# Altium PCB un52eGX16.PcbDoc (part 1 of 2) (continued)
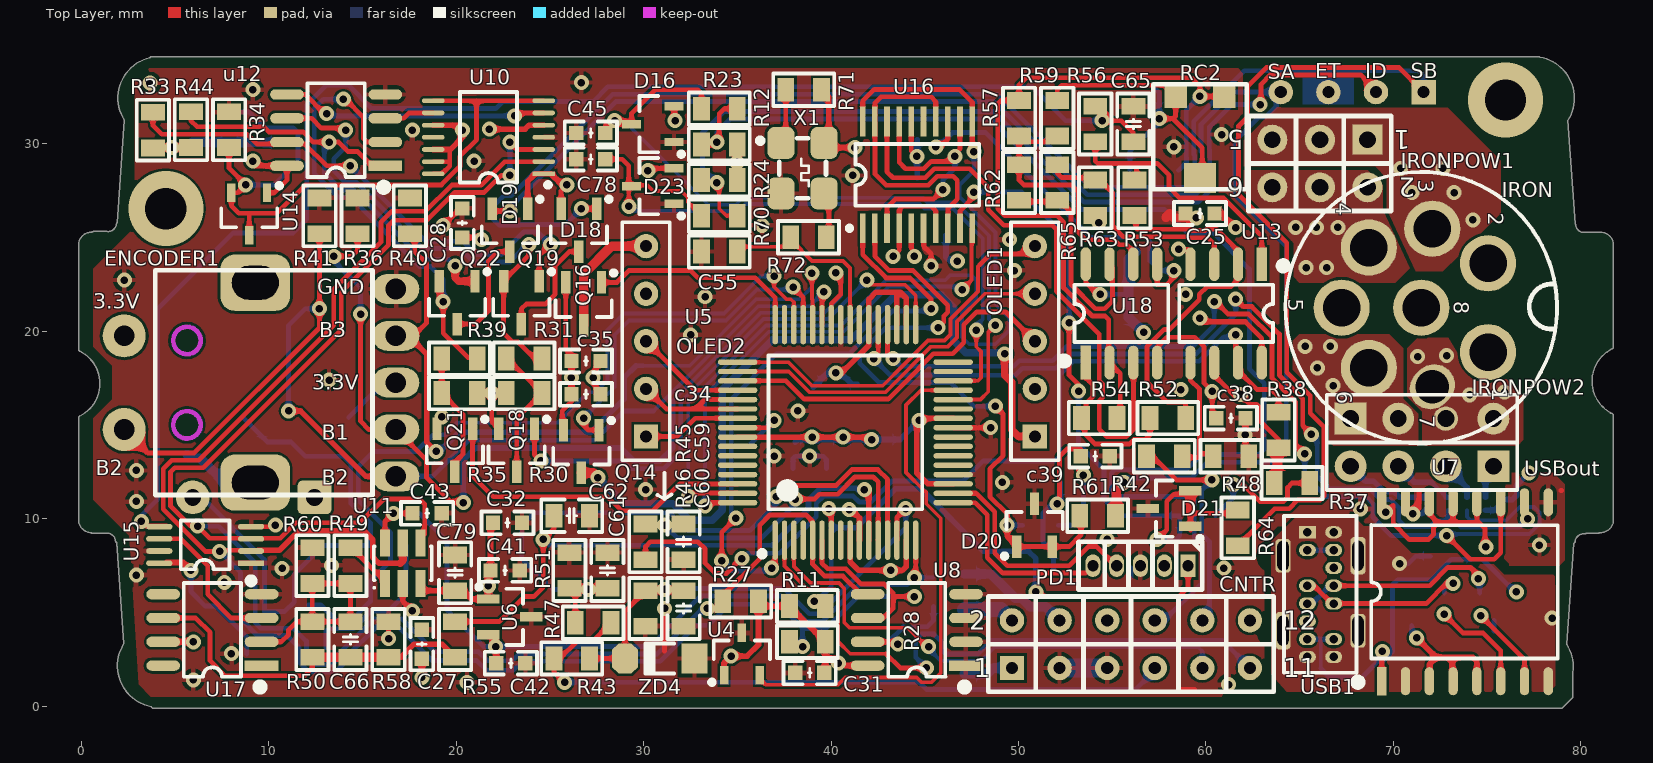
[diagram p0: Top Layer view]
## Footprints (in the part's own frame and the unit in brackets; to place one, negate y for a bottom-side part, rotate by r counter-clockwise, add the part's x,y. Pads: shape width x height; smd on the part's side, far side on the other; paste and mask are expansions set on the pad) (continued)
  rect 1.8x0.55 smd: 1(-2.625,1.905)
  oval 1.8x0.55 smd: 2(-2.625,0.635) 3(-2.625,-0.635) 4(-2.625,-1.905) 5(2.625,-1.905) 6(2.625,-0.635) 7(2.625,0.635) 8(2.625,1.905)
  silkscreen extent -2.69,-2.5 1.52,3.2, body extent -3,-2.5 3,2.5, height 1.9
SOP16W_L [mm] "10.3*10.3*2.6mm（长宽高）"
  rect 1.5x0.5 smd: 1(-4.775,4.445)
  oval 1.5x0.5 smd: 2(-4.775,3.175) 3(-4.775,1.905) 4(-4.775,0.635) 5(-4.775,-0.635) 6(-4.775,-1.905) 7(-4.775,-3.175) 8(-4.775,-4.445) 9(4.775,-4.445) 10(4.775,-3.175) 11(4.775,-1.905) 12(4.775,-0.635) 13(4.775,0.635) 14(4.775,1.905) 15(4.775,3.175) 16(4.775,4.445)
  silkscreen extent -4.98,-4.95 3.56,5.87, body extent -5.15,-5.15 5.15,5.15, height 2.7
SOT23-3L [mm] "3x1.3x1mm(长宽高)"
  rect 0.45x1 smd: 1(-0.95,-1.143) 2(0.95,-1.143) 3(0,1.125)
  silkscreen extent -1.72,-1.65 1.5,0.7, body extent -1.5,-1.2 1.5,1.2, height 1.05
SOT23-3N [mm] "3x1.3x1mm(长宽高)"
  rect 0.5x1.2 smd: 1(-0.95,-1.143) 2(0.95,-1.143) 3(0,1.143)
  silkscreen extent -1.73,-1.78 1.5,0.7, body extent -1.5,-1.2 1.5,1.2, height 1.05
SOT23-6 [mm] "SOT-457/SC-74; 6 Leads; Body 3 x 3 mm, inc. leads (LxW max)"
  rect 0.55x1.45 smd: 1(-0.95,-1.075) 2(0,-1.075) 3(0.95,-1.075) 4(0.95,1.075) 5(0,1.075) 6(-0.95,1.075)
  silkscreen extent -1.57,-1.35 1.55,0.9
"TQFP64 10X10_M" [mm] "64脚，体宽：10x10mm, 脚距：0.5mm"
  oval 0.29x2.1 smd: 1(-3.75,-5.752) 2(-3.25,-5.752) 3(-2.75,-5.752) 4(-2.25,-5.752) 5(-1.75,-5.752) 6(-1.25,-5.752) 7(-0.75,-5.752) 8(-0.25,-5.752) 9(0.25,-5.752) 10(0.75,-5.752) 11(1.25,-5.752) 12(1.75,-5.752) 13(2.25,-5.752) 14(2.75,-5.752) 15(3.25,-5.752) 16(3.75,-5.752) 33(3.75,5.752) 34(3.25,5.752) 35(2.75,5.752) 36(2.25,5.752) 37(1.75,5.752) 38(1.25,5.752) 39(0.75,5.752) 40(0.25,5.752) 41(-0.25,5.752) 42(-0.75,5.752) 43(-1.25,5.752) 44(-1.75,5.752) 45(-2.25,5.752) 46(-2.75,5.752) 47(-3.25,5.752) 48(-3.75,5.752)
  oval 2.1x0.29 smd: 17(5.752,-3.75) 18(5.752,-3.25) 19(5.752,-2.75) 20(5.752,-2.25) 21(5.752,-1.75) 22(5.752,-1.25) 23(5.752,-0.75) 24(5.752,-0.25) 25(5.752,0.25) 26(5.752,0.75) 27(5.752,1.25) 28(5.752,1.75) 29(5.752,2.25) 30(5.752,2.75) 31(5.752,3.25) 32(5.752,3.75) 49(-5.752,3.75) 50(-5.752,3.25) 51(-5.752,2.75) 52(-5.752,2.25) 53(-5.752,1.75) 54(-5.752,1.25) 55(-5.752,0.75) 56(-5.752,0.25) 57(-5.752,-0.25) 58(-5.752,-0.75) 59(-5.752,-1.25) 60(-5.752,-1.75) 61(-5.752,-2.25) 62(-5.752,-2.75) 63(-5.752,-3.25) 64(-5.752,-3.75)
  silkscreen extent -4.57,-6.6 4.1,4.1, body extent -6,-6 6.01,6, height 1.05
TSSOP14_L [mm] "5*6.4*1mm（长宽高）"
  rect 1.2x0.25 smd: 1(-2.95,1.95)
  oval 1.2x0.25 smd: 2(-2.95,1.3) 3(-2.95,0.65) 4(-2.95,0) 5(-2.95,-0.65) 6(-2.95,-1.3) 7(-2.95,-1.95) 8(2.95,-1.95) 9(2.95,-1.3) 10(2.95,-0.65) 11(2.95,0) 12(2.95,0.65) 13(2.95,1.3) 14(2.95,1.95)
  silkscreen extent -3.3,-2.41 1.52,2.67, body extent -3.2,-2.5 3.2,2.5, height 1.03
TSSOP20 [mm] "Shrink Small Outline; 20 Leads; Body Width 4.4 mm; Pitch 0.65 mm"
  rect 0.3x1.6 smd: 1(-2.925,-2.85) 2(-2.275,-2.85) 3(-1.625,-2.85) 4(-0.975,-2.85) 5(-0.325,-2.85) 6(0.325,-2.85) 7(0.975,-2.85) 8(1.625,-2.85) 9(2.275,-2.85) 10(2.925,-2.85) 11(2.925,2.85) 12(2.275,2.85) 13(1.625,2.85) 14(0.975,2.85) 15(0.325,2.85) 16(-0.325,2.85) 17(-0.975,2.85) 18(-1.625,2.85) 19(-2.275,2.85) 20(-2.925,2.85)
  silkscreen extent -3.75,-2.97 3.3,1.65
USB-TYPEC-14P [mm]
  rect 0.9x0.65 hole 0.45: 1(0,0)
  oval 0.9x0.65 hole 0.45: 2(0,-0.95) 3(0,-2.85) 4(0,-3.8) 5(0,-4.75) 6(0,-5.7) 7(0,-6.65) 8(1.4,-6.65) 9(1.4,-5.7) 10(1.4,-3.8) 11(1.4,-2.85) 12(1.4,-1.9) 13(1.4,-0.95) 14(1.4,0)
  rrect50% 0.8x2 hole 1.6 slot 0.6 at 0 deg: 15(-1.3,-5.25) 15(2.7,-1.25)
  rrect50% 0.8x1.8 hole 1.6 slot 0.6 at 0 deg: 15(-1.3,-1.25) 15(2.7,-5.25)
  silkscreen extent -1.25,-7.5 2.63,0.87
XTAL-3225 [mm]
  rrect50% 1.7x1.45 smd: 1(-1.35,-1.15) 2(1.35,-1.15) 3(1.35,1.15) 4(-1.35,1.15)
  silkscreen extent -1.6,-2.39 1.6,1.25

## Part data
C55: library part 6420063, "Capacitor", LatestRevisionDate=17-Jul-2002, LatestRevisionNote="Re-released for DXP Platform.", PackageDescription="Radial Cap, Thru-Hole; 2 Leads; 0.3 in Pin Spacing", PackageReference=RAD-0.3, Published=8-Jun-2000, Publisher="Altium Limited", 备注=C0603COG220J500N, 封装=060, 物料名称=Ì, 物料编码=6420, 物料规格=22p,50V,±5%
C59 C60 C61 C62 C63 C64 C65 C66: library part 104, BOM名称=无极性, 学习资源=www.ooocke., 材质=X7
CNTR: library part "Header  6X2", "6*2P接插件"
D16 D17 D20 D21 D23: library part BAT54S, "表贴肖特基二极管"
D18 D19: library part BAT54A, "表贴肖特基二极管"
ENCODER1: library part "Header 9", "9P接插件", BOM名称=9P接, 学习资源=www.ooocke.
IRON: library part "Header 8", "8P接插件", BOM名称=8P接, 学习资源=www.ooocke.
IRONPOW1: library part "Header 3X2", "3*2P接插件"
IRONPOW2 IRONPOW3 USBout: library part "Header 2X2", "2*2P接插件"
LS1: library part DC5V, BOM名称=蜂, 学习资源=www.ooocke.
OLED1 OLED2 PD1: library part "Header 5", "5P接插件"
Q14 Q16 Q18 Q19 Q21 Q22: library part AO3401, "P沟道 30V/4.2A"
Q20: library part AO3400, "N沟道 30V/4.2A"
R12 R23 R24 R25 R26 R30 R31 R33 R34 R35 R36 R37 R38 R39 R40 R41 R42 R43 R44 R45 R46 R47 R48 R49 R50 R51 R52 R53 R54 R55 R56 R57 R58 R59 R60 R61 R62 R63 R64 R65 R70 RGND1: library part 330, BOM名称=ÌùÆ, 学习资源=www.ooocke.
R71: library part 6350004, "Resistor（贴片）"
R72: library part 6320121, "Resistor（贴片）"
R101 R102 R103 R104: library part 1.8K, BOM名称=ÌùÆ, 学习资源=www.ooocke.
RC2 RC2': library part RP-SMD, "贴片电位器"
  RC2': BOM名称=贴片, 学习资源=www.ooocke.
U4 U14: library part LM4041CIM3-1.2/NOPB, BOM_JLCPCB SMD=Yes, BOM_Manufacturer="Texas Instruments", BOM_Manufacturer Part=LM4041CIM3-1.2/NOPB, BOM_Supplier=LCSC, BOM_Supplier Part=C205904, Contributor=LCSC, SMT Type=Extend, spicePre=U, spiceSymbolName=LM4041CIM3-1.2/NOPB
U7: library part ADUM3160BRWZ, BOM_JLCPCB SMD=Yes, BOM_Manufacturer=ADI, BOM_Manufacturer Part=ADUM3160BRWZ, BOM_Supplier=LCSC, BOM_Supplier Part=C108501, Contributor=LCSC, SMT Type=Extend, spicePre=U, spiceSymbolName=ADUM3160BRWZ
U8: library part 24Cxx, "外置EEPROM", BOM名称=外置EEP, 学习资源=www.ooocke.
U10: BOM_JLCPCB SMD=Yes, BOM_Manufacturer=MICROCHIP, BOM_Manufacturer Part=MCP4651-503E/ST, BOM_Supplier=LCSC, BOM_Supplier Part=C148010, Contributor=LCSC, SMT Type=Extend, spicePre=U, spiceSymbolName=MCP4651-503E/ST
U11: library part AS179-92, "射频开关芯片", BOM名称=ÉäÆµ¿, 学习资源=www.ooocke.
u12: library part AD8667, "双运放", BOM名称=˫, 学习资源=www.ooocke.
U13 U18: library part LM358, "双路运放", BOM名称=Ë«Â, 学习资源=www.ooocke.
U15: library part MAX6675, "K型热电偶检测芯片"
U16: library part ADG734BRUZ-REEL, BOM_JLCPCB SMD=Yes, BOM_Manufacturer="Analog Devices", BOM_Manufacturer Part=ADG734BRUZ-REEL, BOM_Supplier=LCSC, BOM_Supplier Part=C579105, Contributor=LCSC, SMT Type=Extend, spicePre=U, spiceSymbolName=ADG734BRUZ-REEL
U17: library part INA122, "微功耗仪表运放"
USB1: "Header, 15-Pin", LatestRevisionDate=17-Jul-2002, LatestRevisionNote="Re-released for DXP Platform.", Publisher="Altium Limited"
X1: library part XTAL-8M, "8M有源晶振"
ZD4: library part 1N4733, "5.1V/1W稳压管"
C23 C47: BOM名称=贴片, 学习资源=www.ooocke.
C24 C25 C26 C27 C28 C29 C30 C31 C32 C33 c34 c35 c36 c37 c38 c39 C40 C41 C42 C43 C44 C45 C46 C48 C49 C50 C51 C52 C53 C54 C57 C58 C78 C79 C80 C81 c88: BOM名称=无极性, 学习资源=www.ooocke., 材质=X7
R11 R27 R28 R32: BOM名称=ÌùÆ, 学习资源=www.ooocke.
U6: BOM名称=低压差线, 学习资源=www.ooocke.

## Free pads (board coordinates)
  rrect30% 1.8x1.8 hole 0.899 mask+0.102: 1(12.437,11.137)
  round 1.8 hole 0.899 mask+0.102: 2(5.937,11.137)

## Via types
v1: diameter 0.8, hole 0.4, Top Layer to Bottom Layer, tented both sides, 215 vias
v2: diameter 4, hole 2.2, Top Layer to Bottom Layer, 2 vias

## Nets (pads, with @x,y where several pads share a name; then routed paths per layer and width w, separated by ;. In a path a pad name is that pad's centre, name@x,y a point inside that pad or via, vN(x,y) a via of type N, cw(c..) or ccw(c..) an arc to the next point about the centre after c; other vN are vias at no path point)
3.3v: C23.1 C24.1 C25.1 C26.1 C27.1 C28.1 C29.1 C30.1 C31.1 C32.1 C33.1 C41.1 C46.1 C47.1 C48.2 C49.2 C50.2 C51.2 C52.2 C58.1 C79.2 C80.2 C81.2 CNTR.1 D16.2 D17.2 D18.2 D19.1 D23.2 ENCODER1.2 ENCODER1.5 LS1.1 pad.1 PD1.2 Q18.2 Q21.2 R11.1 R12.2 R24.2 R27.1 R28.1 R30.2 R33.2 R35.2 R44.2 R71.1 R104.2 U4.1 U5.10 U5.19 U5.26 U5.34 U5.35 U5.38 U5.57 U6.1 U7.12 U7.13 U7.14 U7.16 U8.8 U10.1 U10.5 U10.10 U10.12 U10.13 U10.14 U11.3 u12.8 U13.8 U14.1 U15.8 U16.16 U17.7 U18.8 X1.4 | length 152
  Top Layer w0.254: U14.1@9.9,27.393 10.293,27.393 10.964,28.064 u12.8@10.964,28.829 ; U10.14@18.767,28.403 19.239,28.403 19.655,28.819 19.655,29.053 ; U10.13@18.767,29.053 19.655,29.053 ; 19.655,29.673 19.655,29.053 ; C28.1@20.32,25.004 21.224,25.004 v1(21.336,24.892) ; R35.2@21.125,16.703 v1(21.898,16.703) ; Q18.2@22.273,14.798 21.898,15.172 v1(21.898,16.703) ; R30.2@22.672,16.703 v1(21.898,16.703) ; D18.2@25.593,26.543 25.593,27.498 v1(25.908,27.813) ; v1(30.226,28.575) 30.353,28.702 D23.2@31.623,28.702 ; v1@31.623,31.303 D16.2@31.623,32.004 ; U16.16@44.285,31.2 44.285,29.629 v1(44.577,29.337) ; U18.8@53.594,23.58 53.594,22.606 54.229,21.971 v1(54.356,21.971) ; 62.103,20.506 62.992,19.617 U13.8@62.992,18.33 ; v1(69.6,10.35) 69.63,10.35 70,10.72 70,9.75 70.867,8.883 71.883,8.883 72.147,9.147 72.147,9.547 72.39,9.79 ; U7.14@71.928,10.875 71.928,10.251 72.39,9.79 ; U7.13@73.198,10.875 73.2,10.873 73.2,9.79 ; U7.12@74.468,10.875 74.468,9.921 74.6,9.79 ; v1(74.95,8.5) 74.897,8.553 74.897,9.492 74.6,9.79 ; 72.39,9.79 73.2,9.79 ; 73.2,9.79 74.6,9.79
  Top Layer w0.3: R33.2@3.81,29.784 3.835,29.809 v1(4.826,29.809) R44.2@5.842,29.809 ; U17.7@4.36,3.429 v1(5.969,3.429) ; U15.8@4.535,7.661 5.42,7.661 v1(5.842,7.239) ; v1(9.144,29.083) 9.398,28.829 u12.8@10.964,28.829 ; U11.3@18.095,6.162 C79.2@19.939,6.162 20.381,6.162 20.833,5.71 U6.1@21.717,5.71 v1(21.717,6.419) 21.717,7.127 C41.1@21.829,7.239 21.829,9.652 C32.1@21.956,9.779 ; v1(18.161,1.524) C27.1@18.161,2.525 ; U10.12@18.767,29.703 19.685,29.703 ; U10.10@18.767,31.003 20.051,31.003 v1(20.32,30.734) 20.32,30.338 19.685,29.703 ; 19.655,29.673 19.685,29.703 ; v1(21.772,30.789) 23.677,30.789 23.891,31.003 U10.5@24.667,31.003 ; D19.1@23.81,26.543 23.81,28.001 24.212,28.403 U10.1@24.667,28.403 25.064,28.403 25.654,27.813 v1(25.908,27.813) ; v1@30.226,28.321 v1(30.226,28.575) ; v1@31.623,31.303 v1(31.684,31.242) ; U4.1@34.29,1.651 34.29,2.286 v1(34.671,2.667) 35.523,2.667 36.129,3.273 R27.1@36.129,5.588 36.383,5.334 R11.1@37.785,5.334 37.785,5.329 R28.1@39.685,3.429 39.685,2.54 ; R24.2@34.986,28.067 v1(34.986,29.019) R12.2@34.986,29.972 ; U5.57@35.015,14.355 v1(38.989,14.355) v1(40.64,14.355) 42.033,14.355 v1(42.164,14.224) ; R71.1@39.492,32.893 39.885,32.5 39.885,29.544 40.143,29.802 v1(41.275,29.802) ; C31.1@39.639,1.778 39.685,1.824 39.685,2.54 ; v1(40.259,17.78) 40.553,17.78 42.005,19.232 42.017,19.232 U5.38@42.017,20.357 42.017,21.697 42.409,22.089 43.697,22.089 ; v1(40.967,10.487) 41.075,10.487 41.517,10.045 U5.10@41.517,8.853 ; U8.8@41.952,2.159 40.767,2.159 40.386,2.54 39.685,2.54 ; U5.35@43.517,20.357 43.517,21.909 43.697,22.089 ; U5.34@44.017,20.357 44.017,21.769 43.697,22.089 ; U5.19@46.519,11.855 45.168,11.855 44.577,12.446 44.577,15.355 U5.26@46.519,15.355 ; v1@54.102,22.225 v1(54.356,21.971) ; v1(59.69,20.701) 59.885,20.506 62.103,20.506 ; C25.1@60.467,26.289 60.833,26.289 v1(61.595,25.527)
  Top Layer w0.5: R33.2@3.744,29.784 R33.2@3.81,29.784
  Bottom Layer w0.254: v1(5.842,7.239) 5.842,6.096 6.604,5.334 7.166,5.334 8.812,3.688 D17.2@8.812,2.782 ; LS1.1@14.263,15.406 16.115,17.258 ENCODER1.2@16.777,17.258 ; v1(54.356,21.971) 55.593,21.971 C23.1@55.88,21.684
  Bottom Layer w0.3: C50.2@38.1,14.091 38.233,14.224 v1(42.164,14.224) 43.688,14.224 v1(44.704,15.24) ; C81.2@39.05,17.018 39.939,17.907 40.066,17.78 v1(40.259,17.78) 40.513,17.78 41.133,17.16 C48.2@41.402,17.16 ; C29.1@44.592,28.194 C30.1@44.592,30.226 ; C33.1@46.137,25.132 46.137,23.967 46.355,23.749 v1(46.736,23.749) ; R104.2@74.925,10.45 75.4,10.45 75.969,11.019 76.365,11.019 C46.1@76.596,11.25 76.596,11.791 76.95,12.145
  Bottom Layer w0.5: v1(4.826,29.809) 5.625,29.809 5.899,30.084 C26.1@10.541,30.084 ; C80.2@47.117,1.717 48.326,1.717 48.641,2.032 CNTR.1@49.657,2.032 CNTR.1@49.657,2.333
  Bottom Layer w0.54: C24.1@56.261,24.242 55.88,23.861 55.88,21.684 55.88,20.747 v1(56.683,19.944)
  other v1: 40.386,2.286 77.255,12.45 19.231,15.433
-0.6V: c36.1 c37.1 c38.1 c39.1 CNTR.6 U13.4 U16.5 U18.4 | length 67.1
  Top Layer w0.254: U16.5@44.285,25.5 44.285,24.422 44.323,24.384 ; 52.197,11.176 52.197,13.335 52.578,13.716 53.325,13.716 ; U18.4@57.404,18.33 57.404,19.164 57.925,19.685 59.405,19.685 59.91,19.18 59.91,17.228 v1(60.342,16.796) 60.342,15.589 c38.1@60.564,15.367 ; v1(58.547,24.384) 59.055,24.384 59.182,24.257 U13.4@59.182,23.58
  Mid Layer 1 w0.8: v1(44.45,24.003) 46.609,26.162 52.324,26.162 54.102,24.384 v1(58.547,24.384) 60.96,24.384 62.865,22.479 62.865,19.319 v1(60.342,16.796) 58.913,15.367 54.483,15.367 52.197,13.081 52.197,6.985 CNTR.6@54.737,4.445
  Bottom Layer w0.254: c36.1@51.877,7.239 51.877,8.194 51.308,8.763 51.308,10.286 51.817,10.795 v1(52.07,10.795) 52.258,10.983 c37.1@52.258,11.938 ; CNTR.6@54.737,4.043 CNTR.6@54.737,4.953
A1/VDD: OLED1.1 Q14.3 | length 40.3
  Top Layer w0.4: v1(49.267,18.796) 49.267,17.662 49.648,17.281 49.648,14.741 50.001,14.388 OLED1.1@50.877,14.388
  Top Layer w0.5: Q14.3@26.67,12.446 27.305,12.446 v1(27.559,12.192)
  Bottom Layer w0.4: v1(27.559,12.192) 28.965,10.786 31.585,10.786 32.465,9.906 33.655,9.906 34.204,10.455 34.204,16.881 36.859,19.536 41.051,19.536 43.464,21.949 45.869,21.949 46.55,21.268 46.55,19.503 47.189,18.864 49.199,18.864 v1(49.267,18.796)
A3/VCC: OLED2.5 Q16.3 | length 6.7
  Top Layer w0.5: Q16.3@26.797,20.32 26.797,23.058 28.287,24.548 OLED2.5@30.127,24.548
ACH: C63.1 D20.1 D20.2 R61.1 U16.2 | length 34.7
  Top Layer w0.254: U16.2@42.343,24.765 42.343,24 43.103,23.24 44.378,23.24 46.228,21.39 46.228,21.028 46.011,20.811 46.011,20.484 v1(45.72,20.193) ; v1(48.768,16.002) 49.181,15.589 49.181,13.367 48.482,12.668 48.482,11.179 49.403,10.258 v1(49.403,9.652) 49.403,9.017 D20.1@49.911,8.509 D20.2@51.811,8.509 52.705,8.509 53.34,9.144 53.34,10.094 R61.1@53.406,10.16
  Bottom Layer w0.254: v1(45.72,20.193) 42.926,20.193 41.529,18.796 41.529,18.288 42.545,17.272 46.355,17.272 47.625,16.002 v1(48.768,16.002) ; v1(49.403,9.652) C63.1@50.231,9.652
B1: ENCODER1.1 R36.2 U5.42 | length 52
  Top Layer w0.254: v1(13.462,24.003) 14.399,24.003 14.732,24.336 R36.2@14.732,25.212 ; v1(14.891,20.923) 14.891,15.208 15.341,14.758 ENCODER1.1@16.777,14.758 18.415,13.12 18.415,12.192 19.672,10.935 20.298,10.935 v1(20.379,10.854) ; U5.42@40.017,20.357 40.017,21.47 40.513,21.966 40.513,22.86 v1(40.259,23.114)
  Bottom Layer w0.2: 31.56,16.193 31.56,16.302 36.254,20.996 39.665,20.996 40.513,21.844 40.513,22.86 v1(40.259,23.114)
  Bottom Layer w0.254: v1(13.462,24.003) 13.462,23.749 14.891,22.32 v1(14.891,20.923)
  Bottom Layer w0.3: v1(20.379,10.854) 20.379,13.14 21.01,13.771 28.784,13.771 29.474,13.081 30.861,13.081 31.56,13.78 31.56,16.193
B2: ENCODER1.4 ENCODER1.8 R41.2 U5.43 | length 60.8
  Top Layer w0.254: ENCODER1.4@2.277,14.758 3.528,13.507 6.014,13.507 12.7,20.193 v1(12.7,21.209) R41.2@12.7,25.212 ; U5.43@39.517,20.357 39.517,21.991 v1(39.624,22.098)
  Top Layer w0.3: v1(11.049,15.748) 11.684,15.748 15.174,12.258 ENCODER1.8@16.777,12.258
  Bottom Layer w0.2: 30.525,15.748 36.113,21.336 38.862,21.336 v1(39.624,22.098)
  Bottom Layer w0.254: v1(11.049,15.748) 11.049,20.32 11.938,21.209 v1(12.7,21.209) ; ENCODER1.8@17.181,12.258 18.735,12.258 20.665,14.188 27.396,14.188 28.956,15.748 30.525,15.748
B3: ENCODER1.3 R40.2 U5.44 | length 41.7
  Top Layer w0.2: v1(38.979,23.104) 38.979,21.717 39.017,21.679 U5.44@39.017,20.357
  Top Layer w0.254: ENCODER1.3@16.777,19.758 17.453,19.758 17.726,19.758 18.415,20.447 18.415,23.622 17.78,24.257 17.78,24.958 R40.2@17.526,25.212
  Top Layer w0.3: ENCODER1.3@17.453,19.758 18.415,18.796 18.415,14.094 18.92,13.589 v1(18.923,13.589)
  Bottom Layer w0.2: 29.591,18.161 32.458,18.161 36.014,21.717 37.703,21.717 37.708,21.712 38.325,21.712 38.979,22.366 v1(38.979,23.104)
  Bottom Layer w0.3: v1(18.923,13.589) 19.117,13.589 20.133,14.605 27.178,14.605 28.956,16.383 28.956,17.526 29.591,18.161
BCH: C64.1 D21.1 D21.2 R64.1 U16.9 | length 37.9
  Top Layer w0.254: U16.9@46.885,25.5 46.885,26.438 47.625,27.178 v1(47.625,27.432) ; v1(52.705,20.447) 52.705,17.666 53.213,17.158 v1(53.213,16.809) ; v1(57.404,8.89) 57.912,9.398 57.912,10.922 58.288,11.298 D21.2@59.182,11.298 ; D21.1@59.182,9.398 D21.1@59.182,9.591 59.182,10.287 61.531,10.287 R64.1@61.706,10.462
  Top Layer w0.5: 59.182,10.287 D21.2@59.182,11.298
  Bottom Layer w0.254: v1(47.625,27.432) 50.165,27.432 52.705,24.892 v1(52.705,20.447) ; v1(53.213,16.809) 53.213,13.97 54.565,12.618 54.565,11.045 55.45,10.16 C64.1@58.613,10.16 58.613,9.083 58.42,8.89 v1(57.404,8.89)
CBANDA: Q21.1 U5.62 | length 18
  Top Layer w0.254: Q21.1@20.871,14.798 20.871,12.276 21.971,11.176 28.067,11.176 28.818,10.425 30.491,10.425 31.921,11.855 U5.62@35.015,11.855
CBANDB: Q18.1 U5.33 | length 29.7
  Top Layer w0.2: v1(41.91,22.733) 42.164,22.479 43.942,22.479 44.517,21.904 U5.33@44.517,20.357
  Top Layer w0.254: Q18.1@24.173,14.798 24.173,13.419 v1(24.511,13.081)
  Bottom Layer w0.2: 31.977,16.199 31.977,16.238 36.395,20.656 39.833,20.656 v1(41.91,22.733)
  Bottom Layer w0.254: v1(24.511,13.081) 28.884,13.081 29.301,12.664 31.079,12.664 31.977,13.562 31.977,16.199 31.996,16.219
CHPOL: U5.63 U16.11 U16.20 | length 52.7
  Top Layer w0.254: v1(32.385,11.176) 32.581,11.372 34.998,11.372 U5.63@35.015,11.355 ; U16.20@41.693,31.965 41.693,32.295 42.304,32.906 46.85,32.906 47.543,32.213 47.543,29.673 v1(47.625,29.591)
  Bottom Layer w0.2: v1(32.385,11.176) 32.385,16.165 36.536,20.316 40.525,20.316 42.938,22.729 46.097,22.729 46.355,22.987 47.498,22.987 47.752,22.733 47.752,21.717 46.99,20.955 46.99,19.685 47.371,19.304 48.768,19.304 49.53,20.066 49.53,20.701 48.772,21.459 48.772,25.269 46.863,27.178 46.863,27.813 47.625,28.575 v1(47.625,29.591)
CHSEL1: U5.1 U16.1 | length 32.1
  Top Layer w0.254: v1(34.163,7.747) 34.163,9.271 v1(34.925,10.033) ; v1(36.83,7.366) 37.017,7.553 U5.1@37.017,8.853 ; U16.1@41.693,24.765 41.693,24.093 42.94,22.846 44.21,22.846 45.339,21.717 v1(45.339,21.209)
  Bottom Layer w0.254: v1(34.163,7.747) 34.703,7.207 36.671,7.207 v1(36.83,7.366) ; v1(34.925,10.033) 34.671,10.287 34.671,16.383 37.084,18.796 40.972,18.796 43.258,21.082 45.339,21.082 v1(45.339,21.209)
CHSEL2: U5.64 U16.10 | length 27.4
  Top Layer w0.2: v1(46.99,22.225) 47.502,22.737 47.502,25.467 U16.10@47.535,25.5
  Top Layer w0.254: v1(33.274,10.668) 33.461,10.855 U5.64@35.015,10.855
  Bottom Layer w0.2: v1(33.274,10.668) 33.274,16.573 36.677,19.976 40.666,19.976 43.079,22.389 46.826,22.389 v1(46.99,22.225)
D+: R26.2 R102.1 USB1.4 USB1.11 USBout.3 | length 23.2
  Top Layer w0.254: USB1.11@66.823,6.421 71.946,6.421 72.923,7.398 74.136,7.398 74.55,6.984 v1(74.55,6.8)
  Mid Layer 1 w0.254: USBout.3@70.1,12.9 70.45,12.9 72.183,11.167 72.183,8.824 72.574,8.433 73.101,8.433 73.549,7.985 73.549,7.92 74.37,7.099 74.435,7.099 74.55,6.984 v1(74.55,6.8)
  Bottom Layer w0.2: 72.056,11.942 R102.1@72.848,11.15
  Bottom Layer w0.254: USB1.4@65.423,5.471 65.671,5.471 66.621,6.421 USB1.11@66.823,6.421 ; v1(74.55,6.8) 74.55,6.916 74.584,6.95 74.625,6.909 R26.2@74.625,6.03
  Bottom Layer w0.3: USBout.3@70.27,12.8 71.128,11.942 72.056,11.942 ; R102.1@72.848,11.15 R102.1@72.958,11.15
D-: R25.2 R103.1 USB1.3 USB1.10 USBout.2 | length 21.9
  Top Layer w0.254: USB1.3@65.423,6.421 65.779,6.421 66.04,6.16 66.04,6.165 66.734,5.471 USB1.10@66.823,5.471 71.765,5.471 72.844,6.55 v1(73.2,6.55)
  Mid Layer 1 w0.254: USBout.2@72.64,12.9 73.689,11.851 73.689,8.402 73.943,8.148 73.943,8.083 74.533,7.493 75.057,7.493 75.4,7.15 75.4,6.7 74.833,6.133 73.623,6.133 73.206,6.55 v1(73.2,6.55)
  Bottom Layer w0.254: R25.2@72.72,6.03 72.72,6.426 72.844,6.55 v1(73.2,6.55)
  Bottom Layer w0.3: USBout.2@72.81,12.8 73.942,11.668 R103.1@73.942,11.15
DVDD: c34.2 c35.2 c88.2 CNTR.2 Q14.2 Q16.2 | length 43.2
  Top Layer w0.254: Q14.2@25.72,14.732 25.654,14.798 25.654,15.748 26.147,16.241 c34.2@26.147,16.637 v1(26.147,17.526) c35.2@26.147,18.415 26.147,18.75 25.847,19.05 Q16.2@25.847,22.606
  Mid Layer 1 w0.8: v1(26.147,17.526) 26.147,16.046 25.857,15.756 25.857,14.978 26.147,14.688 26.147,12.275 27.17,11.252 27.864,11.252 32.639,6.477 34.544,6.477 36.449,4.572 CNTR.2@49.657,4.572
  Bottom Layer w0.8: c88.2@47.117,5.146 49.083,5.146 CNTR.2@49.657,4.572
EARTH: IRON.8 IRONPOW3.3 | length 23.1
  Mid Layer 1 w0.3: IRONPOW3.3@66.543,32.766 67.634,32.766 68.574,31.826 70.231,31.826 70.671,31.386 72.064,31.386 77.1,26.35 77.1,22.7 76,21.6 74.228,21.6 73.886,21.258 IRON.8@71.5,21.258
GND: C23.2 C24.2 C25.2 C26.2 C27.2 C28.2 C29.2 C30.2 C31.2 C32.2 C33.2 c36.2 c37.2 c38.2 c39.2 C40.1 C41.2 C42.2 C43.2 C44.2 C45.2 C46.2 C47.2 C48.1 C49.1 C50.1 C51.1 C52.1 C55.2 C59.2 C60.2 C61.1 C62.2 C65.2 C78.2 C79.1 C80.1 C81.1 CNTR.3 CNTR.5 D16.1 D17.1 D20.3 D21.3 D23.1 ENCODER1.9 PD1.3 Q20.2 R34.1 R36.1 R40.1 R41.1 R46.2 R48.2 R51.1 R58.2 R60.2 R63.1 R101.2 RGND1.1 U4.3 U5.9 U5.15 U5.20 U5.25 U5.41 U6.3 U7.9 U7.15 U8.1 U8.2 U8.3 U8.4 U8.7 U10.4 U11.2 u12.4 U15.1 U15.4 U15.7 U16.6 U17.4 X1.2 ZD4.1 | length 41.8
  Top Layer w0.254: U15.4@9.05,9.575 10.275,9.575 v1(10.35,9.65) ; v1(16.383,3.6) R58.2@16.383,4.506 ; U11.2@17.145,6.545 17.145,5.588 v1(17.653,5.08) ; v1(19.304,25.654) 20.208,26.558 C28.2@20.32,26.558 ; 31.115,2.921 v1(31.115,5.207) ; U5.9@41.017,8.853 U5.9@41.017,9.467 ; U8.7@41.952,3.429 43.434,3.429 v1(43.561,3.302) ; U16.6@44.943,24.765 44.943,24.526 45.339,24.13 v1(45.339,23.495) ; U5.25@46.519,14.855 48.51,14.855 v1(48.514,14.859) ; R63.1@54.102,26.177 54.3,25.979 v1(54.3,25.8) ; 58.547,0.889 59.416,0.889 ; R48.2@62.118,13.508 c38.2@62.118,15.367 ; v1(71.05,10.25) 71.05,10.552 71.374,10.876 ; 71.374,10.541 71.374,10.876 ; 71.374,11.506 71.374,10.876 ; 78.955,11.506 78.994,11.506
  Top Layer w0.3: C79.1@19.698,7.821 C79.1@19.939,8.062 ; U5.9@41.017,8.853 41.017,7.699 41.477,7.239 v1(43.18,7.239) 43.815,7.239 44.017,7.441 U5.15@44.017,8.853
  Top Layer w0.5: 57.877,26.083 58.083,26.289 58.322,26.05 v1(59.5,26.05) 59.152,26.05 C25.2@58.913,26.289
  Mid Layer 2 w0.254: 56.388,15.367 59.563,15.367 60.325,16.129
  Bottom Layer w0.254: C50.1@37.973,12.664 37.973,13.208 38.1,13.335 v1(38.862,13.335) 39.588,13.335 39.751,13.172 C51.1@39.751,12.664 ; C47.2@43.053,3.429 43.815,4.191 44.45,4.191 44.495,4.236 45.145,4.236 45.466,4.557 C44.2@45.466,5.319 ; 56.007,6.858 56.007,7.366 ; v1(71.05,10.25) 71.525,10.25 71.725,10.45 R101.2@71.975,10.45
  Bottom Layer w1: CNTR.3@52.197,2.032 CNTR.5@54.737,2.032
  other v1: 61.214,1.143 20.574,1.27 5.969,1.397 8.001,2.794 7.62,6.604 2.921,6.985 10.7,7.35 60.96,7.366 13.35,7.5 77.807,8.59 54.737,8.89 68.25,10.523 2.921,10.922 30.099,11.557 49.149,11.938 2.921,12.573 36.957,13.335 62.103,14.478 38.227,15.748 58.674,16.891 13.208,17.399 32.512,19.812 33.274,21.844 58.928,21.971 2.286,22.733 49.784,23.241 49.53,24.892 36.322,25.654 41.148,28.321 20.955,29.083 58.293,29.845 60.85,30.5 17.653,30.734 9.144,32.893 3.65,33.25 26.67,33.274
HSEL: CNTR.9 U5.3 | length 27.7
  Top Layer w0.2: U5.3@38.017,8.853 38.017,7.449 38.898,6.568 40.422,6.568 40.709,6.281 40.709,4.461 40.987,4.184 44.076,4.184 45.085,3.175 v1(45.212,3.175)
  Bottom Layer w0.2: v1(45.212,3.175) 45.212,3.048 45.845,2.415 48.008,2.415 48.731,3.138 59.6,3.138 59.817,2.921 CNTR.9@59.817,2.032
ID: IRON.5 IRONPOW3.2 R24.1 R70.2 | length 77.5
  Top Layer w0.2: v1@34.036,27.686 34.036,26.543 34.417,26.162 R70.2@34.986,26.162
  Top Layer w0.254: v1(62.9,32.1) 62.95,32.1 62.95,33.183 63.45,33.683 68.267,33.683 IRONPOW3.2@69.35,32.6
  Mid Layer 1 w0.3: IRON.5@67.25,21.258 68.392,21.258 70.25,19.4 72.95,19.4 74.6,21.05 76.2,21.05 77.7,22.55 77.7,26.428 72.302,31.826 70.853,31.826 69.913,32.766 IRONPOW3.2@69.083,32.766
  Bottom Layer w0.254: v1(33.909,27.94) 33.147,28.702 33.147,30.607 34.264,31.724 48.683,31.724 53.512,26.895 59.587,26.895 60.205,27.513 60.205,29.687 60.183,29.709 60.183,30.9 61.383,32.1 v1(62.9,32.1)
IDIN: C78.1 D23.3 R70.1 U5.30 | length 37.5
  Top Layer w0.2: v1(29.21,26.67) 29.21,27.65 29.355,27.795 30.2,27.795 30.511,27.484 32.005,27.484 32.363,27.126 32.363,26.885 R70.1@33.086,26.162 ; U5.30@46.519,17.355 47.835,17.355 48.006,17.526 48.006,18.923 47.752,19.177 v1(47.752,20.066)
  Top Layer w0.254: C78.1@27.955,29.185 28.854,29.185 29.21,28.829 D23.3@29.21,27.65
  Bottom Layer w0.2: v1(29.21,26.67) 29.464,26.416 35.052,26.416 35.429,26.793 44.735,26.793 44.98,26.548 46.504,26.548 48.092,24.96 48.092,20.66 47.752,20.32 v1(47.752,20.066)
IN+: U16.13 U18.5 | length 21
  Top Layer w0.254: v1(45.593,29.845) 45.847,29.845 46.235,30.233 U16.13@46.235,31.2 ; U18.5@57.404,23.58 57.404,22.479 57.912,22.479 58.293,22.86 v1(58.293,23.241)
  Bottom Layer w0.254: v1(45.593,29.845) 45.72,29.845 46.482,30.607 48.26,30.607 53.848,25.019 56.769,25.019 57.023,24.765 57.023,23.753 57.535,23.241 v1(58.293,23.241)
IN-: U16.18 U18.3 | length 31.9
  Top Layer w0.254: U16.18@42.985,31.2 42.985,28.516 43.307,28.194 45.036,28.194 45.512,28.67 47.403,28.67 48.387,27.686 48.387,26.494 49.216,25.665 51.805,25.665 52.018,25.452 52.018,22.15 54.313,19.855 54.313,17.365 54.496,17.181 54.496,16.474 54.313,16.29 54.313,14.775 54.711,14.377 55.534,14.377 55.755,14.377 ; 56.007,14.629 55.755,14.377 ; U18.3@56.134,18.33 56.145,18.319 56.145,14.767 55.755,14.377
IND1/VDD: Q14.1 U5.45 | length 19.3
  Top Layer w0.254: v1(26.797,15.367) 26.797,14.986 27.051,14.732 Q14.1@27.62,14.732 ; v1(37.973,22.352) 38.517,21.808 U5.45@38.517,20.357
  Bottom Layer w0.2: v1(26.797,15.367) 28.439,17.009 28.439,19.803 29.21,20.574 34.39,20.574 36.041,22.225 37.973,22.225 v1(37.973,22.352)
IND3/VCC: Q16.1 U5.48 | length 11.6
  Top Layer w0.254: Q16.1@27.747,22.606 28.575,22.606 29.21,23.241 32.512,23.241 32.893,22.86 35.956,22.86 37.017,21.799 U5.48@37.017,20.357
NAP: C45.1 D16.3 R23.1 U5.28 | length 42.5
  Top Layer w0.2: C45.1@27.955,30.582 C45.1@28.184,30.353 ; U5.28@46.519,16.355 47.978,16.355 48.392,16.769 48.392,19.944 v1(48.768,20.32)
  Top Layer w0.254: C45.1@27.955,30.582 27.955,31.003 28.006,31.054 D16.3@29.355,31.054 D16.3@29.355,31.242 ; v1(28.448,31.242) D16.3@29.355,31.242 ; R23.1@33.086,31.663 R23.1@33.086,31.877 33.086,32.7 32.893,32.893 30.607,32.893 29.355,31.641 D16.3@29.355,31.242
  Bottom Layer w0.2: v1(28.448,31.242) 28.956,31.242 33.442,26.756 34.911,26.756 35.288,27.133 44.876,27.133 45.121,26.888 46.645,26.888 48.432,25.101 48.432,20.656 v1(48.768,20.32)
NAPOLD: U5.8
NetC40_2: C40.2 U5.56 | length 4
  Top Layer w0.254: U5.56@35.015,14.855 36.572,14.855 v1(36.957,15.24)
  Bottom Layer w0.254: C40.2@35.687,13.904 35.687,13.97 v1(36.957,15.24)
NetC54_2: C54.2 U7.3 U7.4 U7.5 | length 8.6
  Top Layer w0.3: v1(71.246,3.64) 71.26,3.64 72.3,2.6 ; U7.3@71.928,1.325 71.95,1.347 71.95,2.25 72.3,2.6 ; U7.4@73.198,1.325 73.15,1.373 73.15,2.6 ; U7.5@74.468,1.325 74.468,2.382 74.25,2.6 73.15,2.6 ; 72.3,2.6 73.15,2.6
  Bottom Layer w0.254: C54.2@70.993,4.303 70.993,3.893 v1(71.246,3.64) v1@71.544,3.64